# Allegro board pc065a_toplevel_45_8layers.brd (continued)
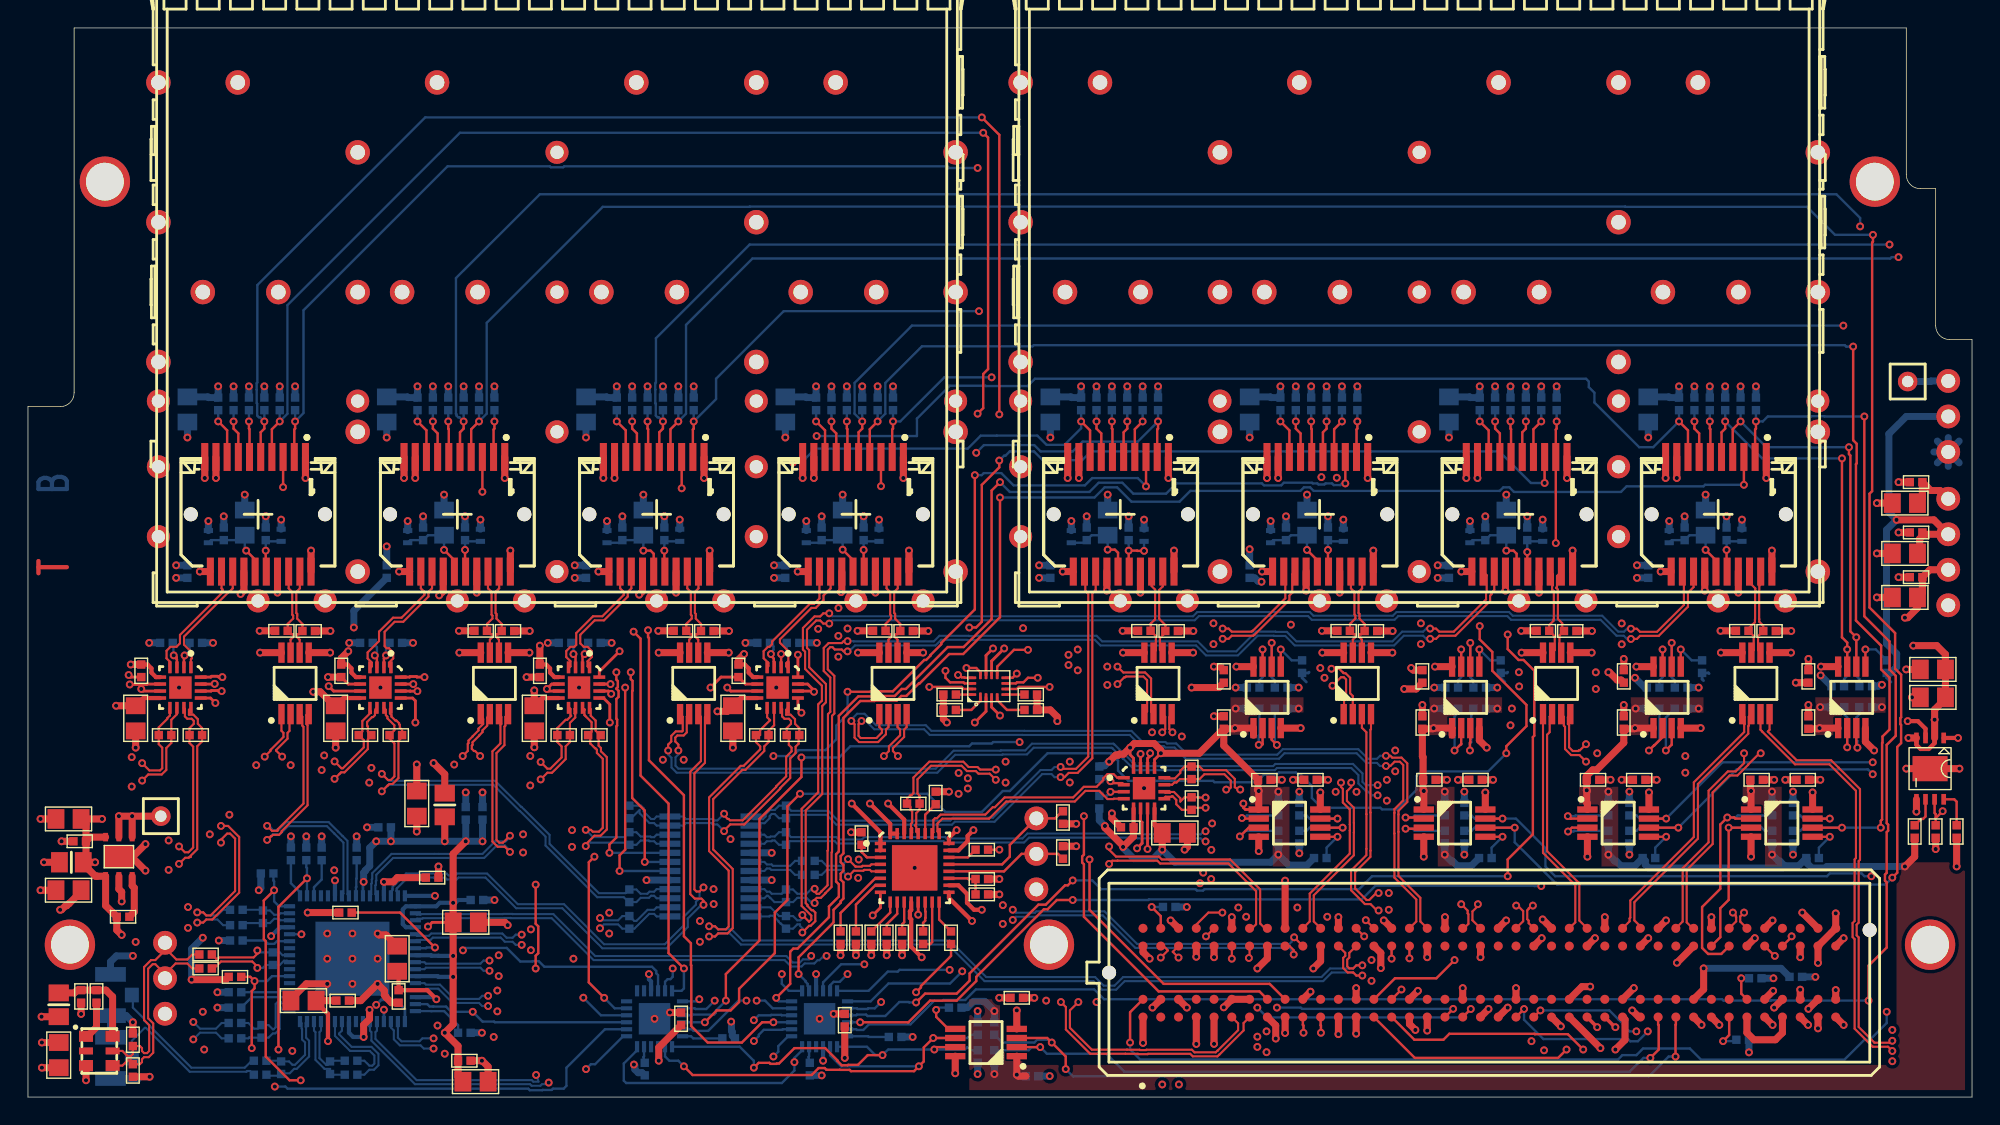
[diagram p0: board, top side]
## Routing (per net, layer and track width the routed paths; a pad name or vN(x,y) marks a point on that pad's centre or on a via; arc(x,y) is an arc through that point) (continued)
  L6_SIG w0.15: v1(83.8,15.3) 83.19,15.91 83.19,17.46 83.22,17.49 83.22,17.91 83.19,17.94 83.19,22.57 81.52,24.25 81.52,24.81 81.31,25.02 81.31,25.46 81.1,25.67 v1(81.1,26.1)
  BOTTOM w0.15: IC3.38 27.8,11.25 28.08,11.25 28.09,11.24 28.1,11.24 28.11,11.25 28.78,11.25 28.95,11.41 33.8,11.41 34.1,11.11 34.65,11.11 34.87,10.89 v1(35.3,10.89)
CLK_MAIN_P<5>: length 88.4
  TOP w0.15: v1(96.57,13.35) 96.45,13.35 95.99,13.81 95.59,13.81 94.6,14.8 94.6,16.21 95.69,17.31 95.69,17.76 95.7,17.76 95.7,20.24 95.69,20.24 95.69,26.11 95.38,26.43 U9.3
  L3_SIG w0.15: v1(96.57,13.35) 96.12,13.8 95.79,13.8 91.7,9.71 91.69,9.71 89.63,7.66 68.12,7.66 67.64,8.15 59.68,8.15 59.48,7.95 35.72,7.95 34.47,9.19 33.44,9.19 33.28,9.04 v1(33,9.04)
  BOTTOM w0.15: v1(33,9.04) 32.57,9.04 32.35,9.26 28.45,9.26 28.35,9.15 IC3.42
CLK_MAIN_P<6>: length 111.7
  TOP w0.15: v1(111.4,24) 110.93,24.47 110.33,24.47 109.9,24.9 109.9,26.49 109.81,26.58 109.81,27.21 U8.3
  L3_SIG w0.15: v1(32.9,6.51) 33.04,6.65 38.31,6.65 38.71,6.25 41.55,6.25 41.95,6.65 46.45,6.65 47.07,6.03 47.88,6.03 47.89,6.05 50.55,6.05 50.56,6.06 55.7,6.06 56.09,6.45 57.38,6.45 57.39,6.47 57.81,6.47 57.82,6.45 59.24,6.45 59.45,6.25 60.18,6.25 60.53,5.9 64.11,5.9 64.6,5.41 65.35,5.41 65.4,5.36 65.52,5.36 65.74,5.14 73.07,5.14 73.07,5.13 83.33,5.13 83.78,5.58 92.27,5.58 92.68,5.16 98.84,5.16 98.99,5.32 99.41,5.32 99.56,5.16 99.73,5.16 99.83,5.27 100.26,5.27 100.36,5.16 104.91,5.16 107.12,2.95 107.48,2.95 107.53,2.9 107.95,2.9 v1(108.4,3.35)
  L6_SIG w0.15: v1(111.4,24) 111,24.4 110.72,24.4 109.41,23.09 109.41,5.6 108.53,4.72 108.53,4.56 108.4,4.43 v1(108.4,3.35)
  BOTTOM w0.15: v1(32.9,6.51) 32.47,6.51 32.25,6.73 30.36,6.73 29.33,7.76 28.45,7.76 28.35,7.65 IC3.45
CLK_MAIN_P<7>: length 141.3
  TOP w0.15: v1(133.3,3.29) 133,3.6 131.9,3.6 130.61,4.89 130.61,11.3 130.46,11.45 130.46,12.45 130.61,12.6 130.61,17.01 130.7,17.1 130.7,21.92 128.81,23.81 126.34,23.81 123.99,26.16 123.99,26.17 123.88,26.29 U7.3
  L3_SIG w0.15: v1(133.3,3.29) 133,3.6 132.1,3.6 130.4,1.9 110.29,1.9 110.24,1.85 87.31,1.85 86.92,2.25 74.68,2.25 74.41,2.52 71.98,2.52 71.81,2.69 66.09,2.69 65.9,2.5 64.4,2.5 63.42,3.48 62.91,3.48 62.77,3.61 60.39,3.61 60.19,3.42 53.09,3.42 52.92,3.25 52.31,3.25 52.28,3.22 52.28,3.22 52.25,3.19 51.56,3.19 51.53,3.22 51.51,3.22 51.49,3.25 45.65,3.25 45.45,3.45 31.85,3.45 31.6,3.7 29.23,3.7 v1(29,3.47)
  BOTTOM w0.15: IC3.51 25.95,4.97 26.16,4.76 26.16,4.13 26.59,3.7 28.07,3.7 28.3,3.47 v1(29,3.47)
CLK_MAIN_P<8>: length 71.5
  TOP w0.15: 81,10.8 81.19,10.8 81.48,10.51 81.48,10.47 v1(81,9.98)
  L3_SIG w0.15: v1(81.1,0.9) 81.1,1.39 80.95,1.54 79.14,1.54 78.32,0.72 74.44,0.72 74.37,0.65 73.68,0.65 73.66,0.68 72.71,0.68 72.66,0.72 37.54,0.72 v1(37.23,1.03)
  L6_SIG w0.15: v1(81,9.98) 81.32,9.98 81.57,9.73 81.57,1.37 v1(81.1,0.9)
  BOTTOM w0.15: v1(37.23,1.03) 37.16,0.92 36.75,0.92 36.64,0.81 36.01,0.81 35.9,0.92 27.67,0.92 24.55,4.03 24.55,4.65 24.45,4.75 IC3.54
CLK_RST_B: length 38
  TOP w0.17: R9.2 15.9,8.6 v1(16.2,8.3) 16.2,7.78 16,7.58 v1(16,3.5)
  L3_SIG w0.17: v1(16,3.5) 16,3.01 17.35,1.66 19.21,1.66 19.28,1.72 19.72,1.72 19.79,1.66 33.92,1.66 34.67,2.4 35.94,2.4 35.98,2.44 36.69,2.44 36.72,2.4 39.38,2.4 39.44,2.35 39.55,2.35 v1(39.9,2)
  BOTTOM w0.17: IC23.1 42.55,4.35 40.55,2.35 40.25,2.35 v1(39.9,2) ; v1(16.2,8.3) 17.1,8.3 17.45,8.65 IC3.6
CLK_SI_N<0>: length 5.7
  BOTTOM w0.15: C22.1 18.05,2.6 R13.2 18.66,2.55 18.91,2.31 19.1,2.31 19.81,3.02 19.81,3.91 19.6,4.12 19.6,4.87 19.57,4.9 19.57,5.29 IC3.64
CLK_SI_N<1>: length 5.8
  BOTTOM w0.15: IC3.2 18.61,6.56 18.32,6.56 18.07,6.81 17.86,6.81 17.71,6.66 17.71,5 17.56,4.85 17.51,4.85 17.2,5.15 R14.2 16.45,4.9 16.16,4.9 15.75,5.3 C24.1
CLK_SI_N<2>: length 3.5
  BOTTOM w0.15: IC3.15 18.05,13.15 17.95,13.04 17.61,13.04 17.3,13.35 R15.2 16.75,13.4 C26.1
CLK_SI_N<3>: length 5.5
  BOTTOM w0.15: C28.1 21.65,1.6 R16.2 21.6,2.02 21.2,2.02 20.55,2.66 20.55,4.65 20.45,4.75 IC3.62
CLK_SI_P<0>: length 6.3
  BOTTOM w0.15: IC3.63 19.86,5.31 19.86,5.02 19.89,4.99 19.89,4.24 20.1,4.03 20.1,2.9 19.22,2.02 19.03,2.02 18.71,1.7 18.15,1.7 R13.1 17.98,1.53 17.12,1.53 C21.1
CLK_SI_P<1>: length 5.5
  BOTTOM w0.15: IC3.1 18.59,6.27 18.2,6.27 18,6.47 18,4.87 17.68,4.56 17.51,4.56 17.2,4.25 R14.1 15.83,4.25 15.82,4.26 15.75,4.2 C23.1
CLK_SI_P<2>: length 3.6
  BOTTOM w0.15: IC3.14 18.05,12.65 17.95,12.76 17.61,12.76 17.3,12.45 R15.1 15.5,12.45 C25.1
CLK_SI_P<3>: length 4.8
  BOTTOM w0.15: C27.1 21.65,2.6 R16.1 21.57,2.52 21.57,2.46 21.42,2.3 21.32,2.3 20.84,2.78 20.84,4.65 20.95,4.75 IC3.61
FMC_LA_N<2>: length 98.7
  TOP w0.15: v1(77.3,17.93) 77.3,17.7 77.79,17.2 80.87,17.2 81.07,17 85.96,17 88.1,14.86 88.1,12.42 88.44,12.08 J10.H8 ; U3.2 18.7,27.33 18.7,26.2 18.56,26.06 18.56,25.64 17.74,24.82 17.74,24.79 v1(18.17,24.36)
  L3_SIG w0.15: v1(74.4,30.92) 73.97,30.92 73.76,31.13 67.4,31.13 67.31,31.22 66.89,31.22 66.8,31.13 65.06,31.13 64.66,30.72 58.99,30.72 58.94,30.67 58.09,30.67 58.06,30.64 57.37,30.64 57.29,30.72 54.33,30.72 54.19,30.58 53.51,30.58 53.37,30.72 44.97,30.72 44.57,31.12 42.69,31.12 42.64,31.08 41.96,31.08 41.91,31.12 40.96,31.12 40.71,30.88 37.69,30.88 37.44,31.12 36.38,31.12 36.21,30.95 35.5,30.95 35.33,31.12 31.7,31.12 31.24,30.66 27.44,30.66 27.39,30.71 20.81,30.71 17.78,27.68 17.78,24.75 v1(18.17,24.36)
  L6_SIG w0.15: v1(74.4,30.92) 73.97,30.92 73.76,31.13 73.47,31.13 73.32,30.98 73.32,30.58 76.6,27.3 76.6,20.96 76.37,20.73 76.37,17.92 76.75,17.53 77.1,17.53 77.3,17.73 v1(77.3,17.93)
FMC_LA_N<3>: length 102
  TOP w0.15: v1(90.53,11.43) 91.16,10.8 ; v1(8.16,23.89) 8.68,23.37 9.44,23.37 9.6,23.53 9.6,25 9.35,25.25 R61.1 9.35,26.45 9.96,27.06 9.96,27.11 10.15,27.3 IC4.9
  L3_SIG w0.15: v1(8.16,23.89) 8.65,23.4 14.31,23.4 16.61,21.1 32.76,21.1 32.8,21.14 48.04,21.14 49.7,22.8 66.07,22.8 66.27,22.6 66.71,22.6 66.92,22.81 v1(67.2,22.81)
  L6_SIG w0.15: v1(70.41,13.4) 70.23,13.23 70.21,13.23 70.2,13.22 69.49,13.22 69.03,13.68 69.03,13.74 68.91,13.86 68.91,21.93 68.24,22.6 67.84,22.6 67.63,22.81 v1(67.2,22.81)
  BOTTOM w0.15: v1(70.41,13.4) 70.51,13.31 70.51,13.31 70.63,13.19 72,13.19 72.1,13.29 76.97,13.29 79.3,10.96 90.2,10.96 90.35,11.11 90.35,11.28 90.5,11.43 v1(90.53,11.43)
FMC_LA_N<4>: length 84.7
  TOP w0.15: v1(94.61,22.5) 94.61,22.19 94.31,21.89 94.31,21.2 94.8,20.7 94.8,19.61 94.81,19.61 94.81,18.94 94.8,18.94 94.8,17.3 91.94,14.44 91.94,12.57 J10.H11 ; 33.02,27.4 32.89,27.26 32.89,27.2 32.84,27.15 32.84,26.58 32.5,26.24 32.5,26.11 32.26,25.88 32.26,25.86 31.79,25.39 31.79,25.2 31.74,25.15 31.74,24.91 31.89,24.76 31.97,24.76 v1(32.33,24.4)
  L3_SIG w0.15: v1(32.33,24.4) 31.93,24 31.93,23.72 33.87,21.78 37.18,21.78 37.9,22.5 47.7,22.5 48.98,23.79 55.51,23.79 55.53,23.8 65.98,23.8 66.58,24.4 67.7,24.4 68.1,24.8 69.53,24.8 69.56,24.83 72.22,24.83 73.39,25.98 78.78,25.98 79.72,26.92 82.58,26.92 85.1,24.4 87.47,24.4 87.59,24.29 93.31,24.29 93.73,23.87 94.07,23.87 94.4,23.54 94.4,23.14 94.61,22.93 v1(94.61,22.5)
FMC_LA_N<6>: length 26.6
  TOP w0.17: v1(86.8,19.97) 86.84,19.93 IC12.2 ; v1(92.45,4.6) 92.45,5.12 92.42,5.14 92.42,5.73
  L3_SIG w0.17: v1(87.1,12.9) v1(92.9,12.9)
  L6_SIG w0.17: v1(92.45,4.6) 92.45,5.09 92.55,5.2 92.55,12.55 v1(92.9,12.9) ; v1(86.8,19.97) 86.8,19.3 87.1,19 87.1,18.94 87.18,18.87 87.18,18.43 87.1,18.35 v1(87.1,12.9)
  BOTTOM w0.17: v1(86.8,19.97) 86.97,19.97 87.15,20.15 R137.1
FMC_LA_N<7>: length 71.3
  TOP w0.15: v1(46.5,24.79) 46.5,25.22 46.28,25.44 46.28,25.72 46.43,25.87 46.88,25.87 47.1,26.09 47.1,27.23 U5.2 ; J10.H14 v1(95.66,12.66)
  L6_SIG w0.15: v1(96.5,22.32) 96.78,22.32 97,22.1 97.44,22.1 97.98,21.55 97.98,20.87 97.89,20.78 97.89,19.05 96.7,17.86 96.7,16.7 95.19,15.19 95.19,14.29 94.83,13.93 94.83,12.44 94.98,12.29 95.22,12.29 v1(95.66,12.66)
  BOTTOM w0.15: v1(46.5,24.79) 46.5,24.51 46.3,24.31 46.3,23.7 46.5,23.5 64.9,23.5 66.18,24.78 69.54,24.78 69.57,24.8 71.31,24.8 71.78,25.29 77.61,25.29 77.67,25.23 77.68,25.23 78.42,24.48 78.45,24.48 79.26,23.68 89.03,23.68 89.18,23.84 94.74,23.84 95.42,23.16 95.42,22.56 95.65,22.32 v1(96.5,22.32)
FMC_LA_N<8>: length 72.3
  TOP w0.15: IC7.9 52.85,27.18 53.06,26.97 53.06,26.97 52.35,26.26 52.35,25.9 R73.1 52.05,25.4 52.35,25.09 52.35,24.88 51.17,23.7 50.96,23.7 48.7,21.44 48.7,17.6 50.1,16.2 50.1,12.2 49.9,12 49.35,12 49.13,12.22 v1(48.7,12.22) ; v1(95.4,9.42) 94.98,9.42 94.76,9.2 94.47,9.2 94.32,9.35 94.32,9.83 94.47,9.98 94.47,10.32 94.97,10.8
  BOTTOM w0.15: v1(48.7,12.22) 49.13,12.22 49.35,12 50.3,12 51.1,11.2 65.9,11.2 68.51,8.59 76.3,8.59 76.92,7.97 77.68,7.97 78.3,8.59 92.48,8.59 93.1,9.2 94.75,9.2 94.98,9.42 v1(95.4,9.42)
FMC_LA_N<9>: length 25
  TOP w0.17: IC18.2 102.47,25.27 ; 102.47,25.27 v1(102,24.8) ; 102.47,25.27 102.47,25.23 ; J10.D15 v1(98.2,7.7)
  L6_SIG w0.17: v1(98.2,7.7) 98.55,8.04 98.94,8.04 100.4,9.5 100.4,9.62 100.57,9.79 100.57,10.22 100.4,10.39 100.4,23.2 v1(102,24.8)
  BOTTOM w0.17: R162.1 102.25,27.49 102,27.24 v1(102,24.8)
FMC_LA_N<10>: length 36.7
  TOP w0.17: 97.5,5.73 99.13,4.1 101.2,4.1 101.63,4.53 107.72,4.53 107.74,4.5 110.1,4.5 v1(111.2,3.4) ; v1(110.1,20.1) 110.28,19.93 IC15.2
  L6_SIG w0.17: v1(110.1,20.1) 110.95,19.25 110.95,8.13 110.83,8.01 110.83,3.77 v1(111.2,3.4)
  BOTTOM w0.17: R147.1 110.65,20.15 110.6,20.1 v1(110.1,20.1)
FMC_LA_N<11>: length 60.3
  TOP w0.15: v1(97.1,24.42) 97.41,24.42 97.54,24.29 98.21,24.29 98.62,23.88 98.62,21.11 97.99,20.48 97.99,20.22 97.98,20.21 97.98,18.99 97.99,18.98 97.99,15.82 99.56,14.26 99.56,12.57 J10.H17 ; U6.2 61.52,26.47 61.34,26.29 61.34,25.96 60.78,25.4 59.42,25.4 59.1,25.72 59.1,26.68 v1(58.87,26.91)
  BOTTOM w0.15: v1(58.87,26.91) 58.87,27.02 59.28,27.42 59.81,27.42 60.63,26.61 64.19,26.61 64.59,26.2 71.23,26.2 71.24,26.2 78.9,26.2 79.69,25.41 80.57,25.41 80.57,25.41 81.33,25.41 81.44,25.3 82.1,25.3 82.9,24.5 89.33,24.5 89.72,24.89 95.12,24.89 95.81,24.2 96.45,24.2 96.67,24.42 v1(97.1,24.42)
FMC_LA_N<12>: length 15.6
  TOP w0.17: v1(98.5,20) 99.72,20 IC14.2 ; 98.78,10.8 v1(98.78,9.93)
  L6_SIG w0.17: v1(98.5,20) 99.12,19.38 99.12,10.27 v1(98.78,9.93)
  BOTTOM w0.17: v1(98.5,20) 98.99,20 99.14,20.15 R142.1
FMC_LA_N<14>: length 40
  TOP w0.17: 88.28,25.27 88.2,25.2 v1(88,25.2) ; 88.28,25.27 88.28,25.23 ; 88.28,25.27 88.28,26.4 ; J10.C19 v1(103.16,6.3)
  L6_SIG w0.17: v1(88,25.2) 88.53,24.68 88.53,7.03 v1(87.9,6.4)
  BOTTOM w0.17: v1(88,25.2) 88,25.86 88.05,25.91 R157.1 ; v1(103.16,6.3) 102.56,5.7 88.6,5.7 v1(87.9,6.4)
FMC_LA_N<15>: length 53.8
  TOP w0.15: v1(103.67,13.8) 103.67,13.67 103.28,13.28 103.28,12.65 103.86,12.08 ; U10.2 80.31,27.57 80.31,29.95 79.87,30.38 78.32,30.38 v1(77.9,30.8)
  L3_SIG w0.15: v1(106.1,27.8) 106.1,27.5 105.86,27.26 103.35,27.26 103.31,27.27 100.31,27.27 100.29,27.29 99.21,27.29 98.09,28.41 93.29,28.41 91.46,30.23 78.46,30.23 v1(77.9,30.8)
  L6_SIG w0.15: v1(106.1,27.8) 106.4,27.5 106.4,27.39 107.21,26.58 107.21,23.61 105.05,21.45 105.05,21.45 104.76,21.16 104.76,16.35 103.3,14.89 103.3,14.17 v1(103.67,13.8)
FMC_LA_N<18>: length 36.2
  TOP w0.17: IC19.2 116.88,25.75 116.29,25.17 116.27,25.17 v1(115.9,24.8) ; v1(108.14,6.2) J10.C23
  L6_SIG w0.17: v1(115.9,24.8) 117.1,23.6 117.1,21.9 118.53,20.48 118.53,8.72 115,5.19 v1(115,4.7)
  BOTTOM w0.17: v1(108.14,6.2) 113.07,6.2 113.72,5.55 113.73,5.55 114.05,5.23 114.05,5.16 114.51,4.7 v1(115,4.7) ; R167.1 116.65,25.55 v1(115.9,24.8)
FMC_LA_N<19>: length 38.5
  TOP w0.15: v1(107.6,13.7) 107.5,13.7 107.3,13.5 107.3,13.46 107.2,13.36 107.2,12.73 107.3,12.62 107.3,12.44 107.67,12.08 ; U9.2 94.72,28.7 94.53,28.89 94.53,30 94.21,30.33 94.09,30.33 94.04,30.38 94.02,30.38 93.75,30.65 v1(93.2,30.65)
  L3_SIG w0.15: v1(106.6,30.4) 106.04,30.4 106.03,30.4 100.93,30.4 100.81,30.29 100.39,30.29 100.27,30.4 99.47,30.4 99.15,30.09 93.62,30.09 93.21,30.46 v1(93.2,30.65)
  L6_SIG w0.15: v1(107.6,13.7) 107.3,13.7 107.14,13.86 107.14,22.14 107.88,22.88 107.88,29.68 107.4,30.16 107.4,30.16 107.16,30.4 v1(106.6,30.4)
FMC_LA_N<21>: length 16.7
  TOP w0.15: U8.2 108.8,27.23 108.8,26.11 108.61,25.93 108.61,17.6 110.92,15.29 110.92,12.63 111.47,12.08
FMC_LA_N<24>: length 19
  TOP w0.15: 115.28,12.08 115.28,12.21 114.86,12.64 114.86,13.95 119.4,18.49 119.4,22.4 123,26 123,26.54 123.03,26.58 123.03,27.21 U7.2
FMC_LA_N<27>: length 75.8
  TOP w0.17: v1(70.7,30.3) 70.4,30 IC21.8
  TOP w0.254: v1(113.5,5) 113.47,5 J10.C27
  L3_SIG w0.17: v1(70.7,30.3) 71.76,30.3 71.98,30.52 72.42,30.52 72.54,30.4 72.93,30.01 75.28,30.01 76,30.73 76,31.6 77.1,32.7 80.9,32.7 81.1,32.5 83.93,32.5 84.54,31.88 87.11,31.88 87.5,31.5 91.3,31.5 92.4,32.6 98.66,32.6 99.38,31.88 100.09,31.88 101.23,33.02 105.13,33.02 105.58,32.58 109.92,32.58 v1(112.1,30.39)
  L6_SIG w0.2: v1(113.5,5) 113.12,5.38 113.12,5.62 114.25,6.75 114.25,14.99 112.4,16.84 112.4,23.36 113.22,24.18 113.22,29.42 112.47,30.16 112.33,30.16 v1(112.1,30.39)
FMC_LA_N<28>: length 128.5
  TOP w0.15: v1(21.92,24.02) 22.41,23.53 22.52,23.53 24.01,25.02 24.01,25.54 R65.1 23.91,26.16 23.91,26.91 24.48,27.48 24.52,27.48 24.52,27.58 24.46,27.63 24.46,27.64 24.45,27.65 IC5.9 ; v1(123.89,24.6) 123.8,24.6 122.99,23.79 122.99,23.77 122.23,23.01 121.66,23.01 120.45,21.8 120.45,18.11 118.6,16.25 118.6,12.5 119.03,12.08 119.09,12.08
  L3_SIG w0.15: v1(123.89,24.6) 123.29,25.2 123.29,25.62 122.96,25.95 119.91,25.95 119.82,25.86 119.38,25.86 119.29,25.95 116.52,25.95 116.36,25.79 113.41,25.79 112.89,26.3 109.97,26.3 109.52,25.85 104.88,25.85 104.63,26.1 101.96,26.1 101.67,25.81 99.29,25.81 97.82,27.29 86.13,27.29 86.12,27.3 85.91,27.3 85.13,28.08 85.12,28.08 84.75,28.45 47.55,28.45 47.1,28 27,28 22.57,23.57 22.37,23.57 v1(21.92,24.02)
FMC_LA_N<30>: length 107.8
  TOP w0.15: IC6.9 38.71,27.85 38.79,27.77 38.79,27.33 38.84,27.28 38.56,27 38.45,27 37.85,26.4 R69.1 37.85,25.4 38.16,25.09 38.16,24.3 37.35,23.5 37.14,23.5 v1(36.66,23.97) ; 122.91,12.08 122.43,12.55 122.43,12.93 v1(122.7,13.2)
  L3_SIG w0.15: v1(36.66,23.97) 37.05,23.59 42.09,23.59 44.58,26.08 49.15,26.08 53.58,26.03 53.77,26.03 54.1,25.7 67.83,25.7 68.43,26.3 71.83,26.3 73.26,27.73 73.94,27.73 73.95,27.72 83.28,27.72 84.97,26.02 85.95,26.02 86.09,25.88 86.51,25.88 86.65,26.02 88.34,26.02 88.35,26.02 90.65,26.02 90.79,25.88 97.92,25.88 99.55,24.25 102.4,24.25 102.65,24 109.63,24 110.33,23.3 111.5,23.3 112.26,24.06 117.95,24.06 118.04,24.15 118.25,24.15 v1(118.5,24.4)
  L6_SIG w0.15: v1(118.5,24.4) 118.86,24.04 119.13,24.04 119.16,24.01 120.17,24.01 122.45,21.73 122.45,13.87 122.7,13.63 v1(122.7,13.2)
FMC_LA_N<31>: length 17.4
  TOP w0.17: 121.64,10.8 121.07,10.24 120.13,10.24 119.7,10.67 119.7,13.6 121,14.9 121,19.5 v1(121.5,20) 121.99,20 122.07,19.93 IC16.2
  BOTTOM w0.17: R152.1 122.25,20.15 122.1,20 v1(121.5,20)
FMC_LA_N<33>: length 20.6
  TOP w0.17: IC20.2 v1(130.07,25.02) ; J10.G37 126.1,11.46 v1(126.1,11.5)
  L6_SIG w0.17: v1(130.07,25.02) 130.07,19.64 130.22,19.49 130.22,15.62 v1(126.1,11.5)
  BOTTOM w0.17: R172.1 129.85,27.39 130.07,27.16 v1(130.07,25.02)
FMC_LA_P<1>: length 36.6
  TOP w0.17: v1(72.2,30) 71.5,30 71.17,29.67 70.71,29.67 70.64,29.6 IC21.7 ; v1(75.5,20.1) 75.5,17.34 75.38,17.22 75.38,16.78 75.5,16.66 75.5,12.9 80.84,7.56 88.05,7.56 J10.D8
  L6_SIG w0.17: v1(75.5,20.1) 75.5,26.1 72.2,29.4 v1(72.2,30)
FMC_LA_P<2>: length 99.6
  TOP w0.15: J10.H7 87.52,12.08 87.81,12.37 87.81,14.74 85.84,16.71 80.95,16.71 80.75,16.91 77.91,16.91 77.9,16.91 77.53,16.91 v1(77.3,16.68) ; 18.12,27.4 18.12,26.2 18.27,26.06 18.27,25.76 17.34,24.84 17.34,24.77 v1(16.93,24.36)
  L3_SIG w0.15: v1(74.4,31.65) 73.97,31.65 73.76,31.44 67.53,31.44 67.44,31.52 66.76,31.52 66.67,31.44 64.94,31.44 64.53,31.03 58.86,31.03 58.81,30.98 57.97,30.98 57.93,30.95 57.5,30.95 57.42,31.03 54.2,31.03 54.06,30.89 53.64,30.89 53.5,31.03 45.1,31.03 44.7,31.44 42.56,31.44 42.51,31.38 42.09,31.38 42.04,31.44 40.84,31.44 40.59,31.19 37.81,31.19 37.56,31.44 36.25,31.44 36.08,31.26 35.63,31.26 35.46,31.44 31.57,31.44 31.11,30.97 27.57,30.97 27.52,31.02 20.68,31.02 17.47,27.81 17.47,25.86 17.42,24.85 v1(16.93,24.36)
  L6_SIG w0.15: v1(74.4,31.65) 73.97,31.65 73.76,31.44 73.34,31.44 73.01,31.1 73.01,30.45 76.29,27.17 76.29,21.09 76.06,20.86 76.06,17.79 76.62,17.22 77.15,17.22 77.3,17.07 v1(77.3,16.68)
FMC_LA_P<3>: length 102.5
  TOP w0.15: v1(90.5,10.2) 90.5,10.51 90.2,10.8 89.89,10.8 ; IC4.10 10.65,27.39 10.25,26.99 R61.2 10.25,25.34 9.89,24.98 9.89,23.41 9.56,23.08 8.6,23.08 v1(8.16,22.65)
  L3_SIG w0.15: v1(8.16,22.65) 8.61,23.09 14.18,23.09 16.48,20.79 32.89,20.79 32.93,20.83 48.17,20.83 49.83,22.49 65.94,22.49 66.14,22.29 66.71,22.29 66.92,22.08 v1(67.2,22.08)
  L6_SIG w0.15: v1(70.41,12.67) 70.41,12.76 70.27,12.91 69.36,12.91 68.72,13.55 68.72,13.61 68.6,13.73 68.6,21.8 68.11,22.29 67.84,22.29 67.63,22.08 v1(67.2,22.08)
  BOTTOM w0.15: v1(70.41,12.67) 70.64,12.9 72.12,12.9 72.22,13 76.85,13 79.18,10.67 90.2,10.67 90.35,10.52 90.35,10.35 v1(90.5,10.2)
FMC_LA_P<4>: length 84.6
  TOP w0.15: U4.1 32.38,27.25 32.49,27.13 32.49,27.11 32.55,27.06 32.55,26.7 32.21,26.36 32.21,26.23 31.8,25.83 31.8,25.81 31.5,25.51 31.5,25.32 31.45,25.27 31.45,24.76 v1(31.08,24.4) ; v1(93.88,22.5) 93.88,22.19 94.02,22.06 94.02,21.07 94.51,20.58 94.51,19.49 94.52,19.49 94.52,19.06 94.51,19.06 94.51,17.42 91.64,14.56 91.64,12.57 J10.H10
  L3_SIG w0.15: v1(93.88,22.5) 93.88,22.93 94.09,23.14 94.09,23.41 93.94,23.56 93.6,23.56 93.19,23.98 87.46,23.98 87.34,24.09 84.97,24.09 82.45,26.62 79.85,26.62 78.91,25.68 73.51,25.68 72.35,24.52 69.69,24.52 69.66,24.49 68.23,24.49 67.83,24.09 66.71,24.09 66.11,23.49 55.66,23.49 55.64,23.48 49.11,23.48 47.83,22.19 38.03,22.19 37.31,21.47 33.74,21.47 31.62,23.59 31.62,23.86 v1(31.08,24.4)
FMC_LA_P<6>: length 24.4
  TOP w0.17: 91.16,5.73 91.16,5.16 91.2,5.12 v1(91.2,4.6) ; IC12.3 87.28,19.27 v1(86.65,18.65)
  L3_SIG w0.17: v1(86.54,13.56) v1(90.76,13.56)
  L6_SIG w0.17: v1(91.2,4.6) 90.76,5.04 90.76,9.52 91.1,9.86 91.1,11.7 90.76,12.04 v1(90.76,13.56) ; v1(86.54,13.56) 86.54,18.05 86.65,18.16 v1(86.65,18.65)
  BOTTOM w0.17: R136.1 87.05,19.05 v1(86.65,18.65)
FMC_LA_P<7>: length 72
  TOP w0.15: U5.1 46.81,27.21 46.81,26.21 46.76,26.16 46.31,26.16 45.99,25.84 45.99,25.44 45.77,25.22 v1(45.77,24.79) ; J10.H13 v1(95.54,11.5)
  L6_SIG w0.15: v1(96.5,21.59) 96.78,21.59 96.98,21.79 97.31,21.79 97.67,21.42 97.67,21 97.58,20.91 97.58,19.18 96.39,17.99 96.39,16.83 94.88,15.31 94.88,14.41 94.52,14.06 94.52,12.32 94.85,11.98 95.14,11.98 95.16,11.97 v1(95.54,11.5)
  BOTTOM w0.15: v1(45.77,24.79) 45.77,24.51 46.01,24.28 46.01,23.58 46.38,23.21 65.02,23.21 66.3,24.49 69.66,24.49 69.69,24.52 71.43,24.52 71.91,25 77.49,25 77.55,24.94 77.56,24.94 78.3,24.2 78.33,24.2 79.14,23.39 89.15,23.39 89.3,23.55 94.62,23.55 95.12,23.04 95.12,22.44 95.64,21.92 95.74,21.92 96.07,21.59 v1(96.5,21.59)
FMC_LA_P<8>: length 72.7
  TOP w0.15: 93.69,10.8 94.19,10.32 94.19,10.1 94.03,9.95 94.03,9.23 94.35,8.91 94.76,8.91 94.98,8.69 v1(95.4,8.69) ; v1(48.7,11.49) 49.13,11.49 49.35,11.71 50.02,11.71 50.39,12.08 50.39,16.32 48.99,17.72 48.99,21.32 51.08,23.41 51.29,23.41 52.65,24.76 52.65,25.09 52.95,25.4 R73.2 52.95,26.2 53.35,26.6 IC7.10
  BOTTOM w0.15: v1(48.7,11.49) 49.13,11.49 49.35,11.71 50.18,11.71 50.98,10.91 65.78,10.91 68.39,8.29 76.18,8.29 76.8,7.68 77.8,7.68 78.42,8.29 92.61,8.29 93.22,8.91 94.76,8.91 94.98,8.69 v1(95.4,8.69)
FMC_LA_P<9>: length 27.3
  TOP w0.17: v1(103.1,24.8) 103.1,25.37 103.12,25.39 IC18.3 ; J10.D14 97.74,8.5 100.7,8.5 v1(102,9.8)
  L6_SIG w0.17: v1(103.1,24.8) 103.1,24.31 103.3,24.11 103.3,21 101.95,19.65 101.95,13.58 102,13.53 v1(102,9.8)
  BOTTOM w0.17: v1(103.1,24.8) 103.1,25.29 103.19,25.38 103.19,27.33 103.35,27.49 R161.1
FMC_LA_P<10>: length 35.3
  TOP w0.17: v1(110.11,19) 110.39,19.27 IC15.3 ; v1(110.01,3.4) 109.41,2.8 99.16,2.8 96.23,5.73
  L6_SIG w0.17: v1(110.11,19) 110.11,5.29 110.12,5.28 110.12,4.84 110.11,4.83 110.11,4.02 110.01,3.92 v1(110.01,3.4)
  BOTTOM w0.17: R146.1 110.55,19.05 110.5,19 v1(110.11,19)
FMC_LA_P<11>: length 57.9
  TOP w0.15: U6.1 60.88,26.47 61.05,26.29 61.05,26.08 60.66,25.69 59.54,25.69 59.39,25.84 59.39,26.7 59.6,26.91 v1(59.6,26.91) ; 98.78,12.08 99.27,12.57 99.27,14.13 97.7,15.7 97.7,18.86 97.69,18.87 97.69,20.33 97.7,20.34 97.7,20.6 98.33,21.23 98.33,23.76 98.09,24 97.71,24 97.41,23.69 v1(97.1,23.69)
  BOTTOM w0.15: v1(97.1,23.69) 96.67,23.69 96.45,23.91 95.69,23.91 95,24.6 89.84,24.6 89.45,24.21 82.78,24.21 81.98,25.01 81.32,25.01 81.21,25.12 80.45,25.12 80.45,25.12 79.57,25.12 78.78,25.91 71.12,25.91 71.11,25.91 64.47,25.91 64.07,26.31 60.51,26.31 59.92,26.91 v1(59.6,26.91)
FMC_LA_P<12>: length 14.8
  TOP w0.17: IC14.3 99.72,19.2 v1(98.5,19.2) ; 97.5,10.8 97.5,10.8 v1(97.5,9.9)
  L6_SIG w0.17: v1(98.5,19.2) 98.5,10.9 v1(97.5,9.9)
  BOTTOM w0.17: R141.1 99.14,19.05 98.99,19.2 v1(98.5,19.2)
FMC_LA_P<14>: length 36.8
  TOP w0.17: 101.31,5.73 v1(101.9,6.31) ; v1(89.3,25.2) 88.92,25.57 IC17.3
  L6_SIG w0.17: v1(89.3,25.2) 89.3,24.7 89.35,24.65 89.35,23.14 88.9,22.69 88.9,22.1 88.88,22.07 88.88,17.13 89.3,16.7 89.3,9.94 89.17,9.82 89.17,9.38 89.3,9.26 v1(89.3,6.4)
  BOTTOM w0.17: R156.1 89.15,25.45 89.3,25.31 v1(89.3,25.2) ; v1(89.3,6.4) 91,6.4 91.09,6.31 v1(101.9,6.31)
FMC_LA_P<15>: length 52.4
  TOP w0.15: v1(77.9,29.55) 78.39,30.04 78.46,30.04 78.51,30.09 79.75,30.09 80.02,29.83 80.02,27.59 U10.1 ; v1(102.48,13.8) 102.94,13.34 102.94,13.14 102.99,13.09 102.99,12.39 102.67,12.08 J10.H19
  L3_SIG w0.15: v1(106,26.6) 105.65,26.95 103.27,26.95 103.23,26.96 100.18,26.96 100.16,26.98 99.08,26.98 97.96,28.1 93.16,28.1 91.33,29.92 78.27,29.92 v1(77.9,29.55)
  L6_SIG w0.15: v1(102.48,13.8) 102.99,14.31 102.99,15.02 104.45,16.48 104.45,21.29 104.74,21.58 104.74,21.58 106.9,23.74 106.9,26.45 106.48,26.87 106.27,26.87 v1(106,26.6)
FMC_LA_P<18>: length 38.5
  TOP w0.17: J10.C22 v1(106.97,6.3) ; IC19.3 117.53,25.21 v1(117.11,24.8)
  L6_SIG w0.17: v1(117.11,24.8) 117.97,23.94 117.97,22.43 118.86,21.55 118.86,7.74 v1(115.82,4.7)
  BOTTOM w0.17: v1(106.97,6.3) 106.97,5.53 108.35,4.15 114.41,4.15 114.57,3.99 115.11,3.99 v1(115.82,4.7) ; v1(117.11,24.8) 117.11,27.16 R166.1
FMC_LA_P<19>: length 37.6
  TOP w0.15: v1(106.41,13.7) 106.51,13.6 106.61,13.6 106.91,13.31 106.91,12.59 106.39,12.08 ; U9.1 94.1,27.42 94.1,28.54 94.24,28.68 94.24,29.88 94.09,30.04 93.88,30.04 v1(93.27,29.43)
  L3_SIG w0.15: v1(106.62,29.38) 105.91,30.09 101.06,30.09 100.94,29.98 100.26,29.98 100.14,30.09 99.59,30.09 99.28,29.78 93.58,29.78 v1(93.27,29.43)
  L6_SIG w0.15: v1(106.62,29.38) 107.06,29.82 107.3,29.82 107.57,29.55 107.57,23.01 106.83,22.27 106.83,13.95 106.58,13.7 v1(106.41,13.7)
FMC_LA_P<21>: length 16.5
  TOP w0.15: U8.1 108.33,17.48 110.63,15.17 110.63,12.5 110.2,12.08
FMC_LA_P<24>: length 19
  TOP w0.15: U7.1 122.58,27.37 122.75,27.2 122.75,26.7 122.71,26.66 122.71,26.12 119.11,22.52 119.11,18.61 114.57,14.07 114.57,12.84 114.51,12.78 114.51,12.57 114.02,12.08
FMC_LA_P<27>: length 72.4
  TOP w0.17: v1(73.05,29.34) 70.85,29.34 70.7,29.2 IC21.6
  TOP w0.254: J10.C26 v1(112.2,5)
  L3_SIG w0.17: v1(112.1,29.2) 109.97,31.33 107.06,31.33 107.01,31.27 106.58,31.27 106.53,31.33 97.82,31.33 97.77,31.27 92.33,31.27 92.28,31.33 91.59,31.33 91.44,31.17 87.36,31.17 87.26,31.27 86.67,31.27 86.62,31.33 86.18,31.33 86.13,31.27 85.06,31.27 85.01,31.33 84.58,31.33 84.53,31.27 81.33,31.27 80.28,32.33 77.95,32.33 76.64,31.02 76.64,30.45 75.55,29.34 v1(73.05,29.34)
  L6_SIG w0.2: v1(112.2,5) 112.62,5.42 112.62,6.02 113.5,6.9 113.5,15.1 112.06,16.54 112.06,16.67 112.04,16.69 112.04,23.51 112.14,23.6 112.14,23.74 112.76,24.37 112.76,28.54 v1(112.1,29.2)
FMC_LA_P<28>: length 127.9
  TOP w0.15: v1(21.92,22.77) 22.28,23.13 22.29,23.13 22.39,23.24 22.64,23.24 24.3,24.9 24.3,25.6 24.55,25.85 R65.2 24.3,26.15 24.3,26.52 24.25,26.57 24.25,26.84 24.6,27.19 24.67,27.19 24.81,27.33 24.81,27.6 24.84,27.63 24.84,27.74 IC5.10 ; 117.83,12.08 118.31,12.56 118.31,16.37 120.17,18.23 120.17,21.92 121.54,23.3 122.11,23.3 122.7,23.89 v1(122.7,24.6)
  L3_SIG w0.15: v1(21.92,22.77) 22.39,23.23 22.51,23.23 22.53,23.26 22.7,23.26 27.13,27.69 47.23,27.69 47.68,28.15 84.62,28.15 85,27.77 85.01,27.77 85.78,26.99 85.99,26.99 86,26.98 97.69,26.98 99.16,25.5 101.8,25.5 102.09,25.79 103.25,25.79 103.39,25.65 104.44,25.65 104.59,25.49 107.15,25.49 107.2,25.54 109.65,25.54 110.1,25.99 112.77,25.99 113.28,25.48 116.49,25.48 116.65,25.64 119.16,25.64 119.25,25.55 119.95,25.55 120.04,25.64 122.83,25.64 122.98,25.49 122.98,24.88 v1(122.7,24.6)
FMC_LA_P<30>: length 107.6
  TOP w0.15: IC6.10 39.08,27.78 39.08,27.45 39.13,27.4 39.13,27.16 38.75,26.78 R69.2 38.75,25.4 38.45,25.09 38.45,24.18 37.47,23.21 37.14,23.21 v1(36.66,22.73) ; 121.64,12.08 122.14,12.58 122.14,12.87 122.11,12.9 122.11,12.99 v1(121.9,13.2)
  L3_SIG w0.15: v1(118.5,23.21) 117.96,23.75 112.39,23.75 111.63,22.99 110.2,22.99 109.5,23.69 102.52,23.69 102.27,23.94 99.42,23.94 97.79,25.58 90.66,25.58 90.52,25.71 88.22,25.71 88.21,25.71 86.78,25.71 86.64,25.58 85.96,25.58 85.82,25.71 84.85,25.71 83.15,27.41 73.82,27.41 73.81,27.41 73.39,27.41 71.96,25.99 68.56,25.99 67.96,25.39 64.65,25.39 64.65,25.39 64.64,25.39 64.64,25.39 53.97,25.39 53.64,25.72 49.15,25.77 44.71,25.77 42.21,23.28 37.21,23.28 v1(36.66,22.73)
  L6_SIG w0.15: v1(118.5,23.21) 118.97,23.68 119.11,23.68 119.1,23.68 119.12,23.7 120.05,23.7 122.14,21.6 122.14,13.87 121.9,13.63 v1(121.9,13.2)
